# KiCad board ulx4m.kicad_pcb (continued)
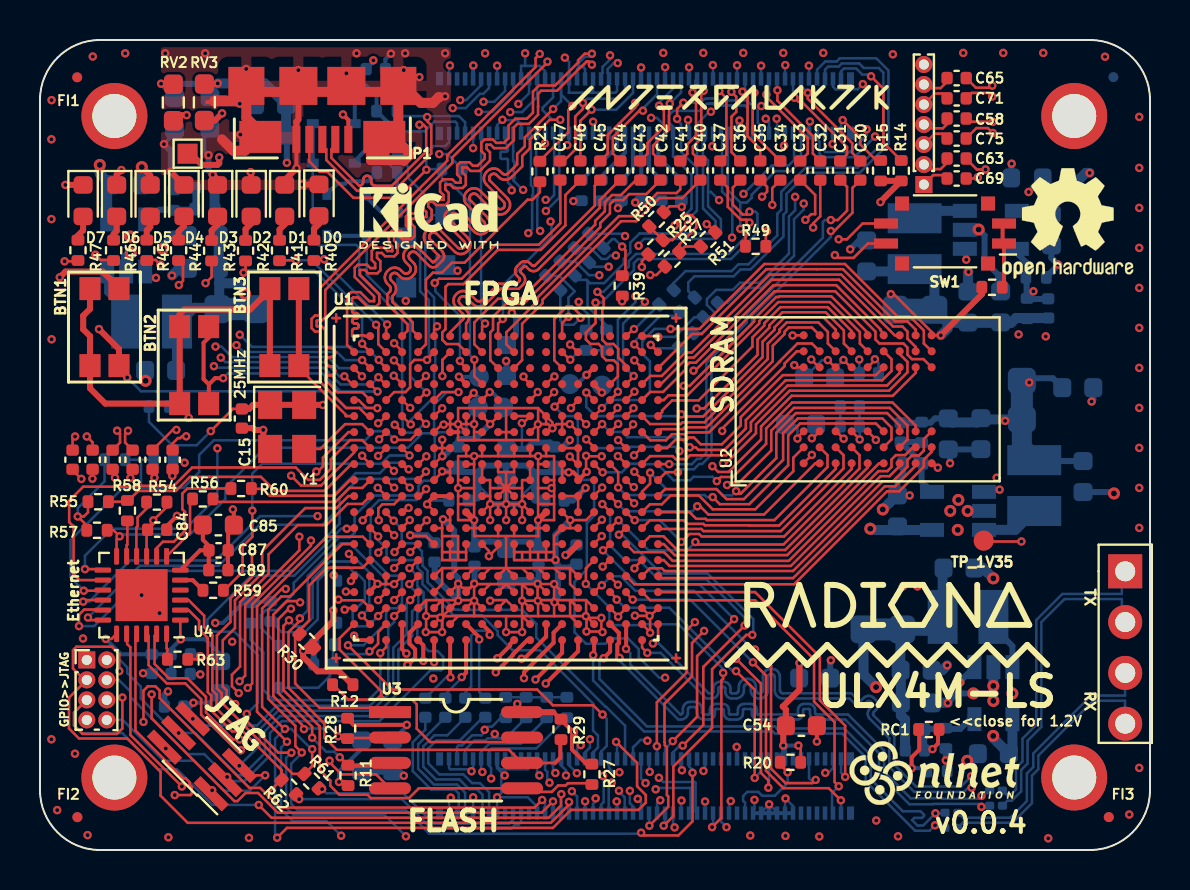
[diagram p0: board, top side]
## Routing (per net, layer and track width the routed paths; a pad name or vN(x,y) marks a point on that pad's centre or on a via; arc(x,y) is an arc through that point) (continued)
  Bottom w0.127: v3(30.65,10.33) 30.95,10.33 33.44,7.83 33.57,7.83 33.59,7.83 33.62,7.84 33.63,7.85 33.65,7.87 33.66,7.89 33.67,7.91 33.67,7.93 33.67,8.08 33.68,8.15 33.7,8.22 33.74,8.28 33.8,8.34 33.86,8.38 33.93,8.4 34,8.41 34.19,8.41 34.27,8.4 34.34,8.38 34.4,8.34 34.45,8.28 34.49,8.22 34.52,8.15 34.53,8.08 34.53,7.93 34.53,7.91 34.53,7.89 34.55,7.87 34.56,7.85 34.58,7.84 34.6,7.83 34.62,7.83 34.77,7.83 34.81,7.84 34.85,7.85 34.88,7.87 34.91,7.9 34.93,7.93 34.94,7.97 34.95,8 34.95,8.16 34.96,8.25 34.99,8.33 35.03,8.41 35.1,8.47 35.17,8.52 35.26,8.55 35.35,8.56 35.4,8.56 35.49,8.55 35.57,8.52 35.65,8.47 35.71,8.41 35.76,8.33 35.79,8.25 35.8,8.16 35.8,8 35.8,7.97 35.82,7.93 35.84,7.9 35.87,7.87 35.9,7.85 35.93,7.84 35.97,7.83 36.01,7.84 36.05,7.85 36.08,7.87 36.11,7.9 36.13,7.93 36.14,7.97 36.15,8 36.15,8.66 36.16,8.75 36.19,8.83 36.23,8.91 36.3,8.97 36.37,9.02 36.46,9.05 36.55,9.06 36.6,9.06 36.69,9.05 36.77,9.02 36.85,8.97 36.91,8.91 36.96,8.83 36.99,8.75 37,8.66 37,8 37,7.97 37.02,7.93 37.04,7.9 37.07,7.87 37.1,7.85 37.13,7.84 37.17,7.83 40.58,7.83 40.91,7.5 40.94,7.48 40.96,7.47 40.99,7.46 41.02,7.46 41.04,7.47 41.07,7.48 41.09,7.5 41.19,7.61 41.26,7.65 41.33,7.69 41.41,7.71 41.49,7.71 41.56,7.69 41.63,7.65 41.7,7.61 41.8,7.5 41.85,7.44 41.88,7.37 41.9,7.29 41.9,7.21 41.88,7.14 41.85,7.06 41.8,7 41.69,6.9 41.68,6.87 41.66,6.85 41.66,6.82 41.66,6.8 41.66,6.77 41.68,6.74 41.69,6.72 42.73,5.69 42.73,4.26 43.81,3.17 46.06,3.17 v3(46.57,3.68)
/serdes/CLK_1_P: length 69.4
  Top w0.127: v3(47.28,34.03) 46.85,34.03 46.32,34.55 C63.2 ; U1.Y19 30.11,10.12 v3(30.37,9.86)
  In2signal.Cu w0.127: v3(46.59,3.11) 47.68,3.11 47.91,3.35 47.91,4.74 49.54,6.36 49.54,14.34 52.39,17.19 52.39,19.18 53.35,20.14 53.35,28.6 52.74,29.2 52.68,29.25 52.6,29.29 52.52,29.31 52.43,29.31 52.35,29.29 52.27,29.25 52.21,29.2 52.1,29.09 52.08,29.07 52.05,29.06 52.01,29.05 51.98,29.05 51.95,29.06 51.92,29.07 51.89,29.09 51.86,29.13 51.84,29.16 51.82,29.19 51.81,29.22 51.81,29.25 51.82,29.28 51.84,29.31 51.86,29.34 52.44,29.92 52.5,29.99 52.53,30.07 52.55,30.15 52.55,30.23 52.53,30.32 52.5,30.39 52.44,30.46 52.37,30.53 52.31,30.58 52.23,30.62 52.15,30.64 52.06,30.64 51.98,30.62 51.9,30.58 51.84,30.53 51.25,29.94 51.23,29.92 51.2,29.91 51.16,29.9 51.13,29.9 51.1,29.91 51.07,29.92 51.04,29.94 51.01,29.98 50.99,30 50.97,30.03 50.97,30.07 50.97,30.1 50.97,30.13 50.99,30.16 51.01,30.19 51.59,30.77 51.65,30.84 51.68,30.92 51.7,31 51.7,31.08 51.68,31.17 51.65,31.24 51.59,31.31 51.53,31.38 51.46,31.43 51.38,31.47 51.3,31.49 51.22,31.49 51.13,31.47 51.06,31.43 50.99,31.38 50.4,30.79 50.38,30.77 50.35,30.76 50.32,30.75 50.28,30.75 50.25,30.76 50.22,30.77 50.2,30.79 50.16,30.83 50.14,30.85 50.13,30.88 50.12,30.92 50.12,30.95 50.13,30.98 50.14,31.01 50.16,31.04 50.27,31.14 50.32,31.21 50.36,31.29 50.38,31.37 50.38,31.45 50.36,31.54 50.32,31.61 50.27,31.68 49.87,32.07 49.87,32.09 49.74,32.22 49.64,32.22 49.55,32.13 48.93,32.13 47.28,33.78 v3(47.28,34.03)
  Bottom w0.127: v3(30.37,9.86) 31.04,9.86 33.32,7.58 33.59,7.58 33.67,7.59 33.74,7.61 33.8,7.65 33.85,7.7 33.89,7.77 33.92,7.84 33.93,7.91 33.93,8.06 33.93,8.08 33.93,8.1 33.95,8.12 33.96,8.13 33.98,8.15 34,8.15 34.02,8.15 34.17,8.15 34.19,8.15 34.22,8.15 34.23,8.13 34.25,8.12 34.26,8.1 34.27,8.08 34.27,8.06 34.27,7.91 34.28,7.84 34.3,7.77 34.34,7.7 34.4,7.65 34.46,7.61 34.53,7.59 34.6,7.58 34.8,7.58 34.89,7.59 34.97,7.62 35.05,7.67 35.11,7.73 35.16,7.81 35.19,7.89 35.2,7.98 35.2,8.13 35.2,8.17 35.22,8.21 35.24,8.24 35.27,8.27 35.3,8.29 35.33,8.3 35.37,8.3 35.41,8.3 35.45,8.29 35.48,8.27 35.51,8.24 35.53,8.21 35.54,8.17 35.55,8.13 35.55,7.98 35.56,7.89 35.59,7.81 35.63,7.73 35.7,7.67 35.77,7.62 35.86,7.59 35.95,7.58 36,7.58 36.09,7.59 36.17,7.62 36.25,7.67 36.31,7.73 36.36,7.81 36.39,7.89 36.4,7.98 36.4,8.63 36.4,8.67 36.42,8.71 36.44,8.74 36.47,8.77 36.5,8.79 36.53,8.8 36.57,8.8 36.61,8.8 36.65,8.79 36.68,8.77 36.71,8.74 36.73,8.71 36.74,8.67 36.75,8.63 36.75,7.98 36.76,7.89 36.79,7.81 36.83,7.73 36.9,7.67 36.97,7.62 37.06,7.59 37.15,7.58 40.48,7.58 40.75,7.3 40.81,7.26 40.88,7.22 40.96,7.2 41.04,7.2 41.12,7.22 41.19,7.26 41.25,7.3 41.36,7.41 41.38,7.43 41.4,7.44 41.43,7.45 41.46,7.45 41.49,7.44 41.51,7.43 41.53,7.41 41.6,7.34 41.62,7.32 41.63,7.29 41.64,7.27 41.64,7.24 41.63,7.21 41.62,7.19 41.6,7.17 41.5,7.06 41.45,7 41.41,6.93 41.4,6.85 41.4,6.77 41.41,6.69 41.45,6.62 41.5,6.56 42.47,5.58 42.47,4.15 43.71,2.91 46.21,2.91 46.42,3.11 v3(46.59,3.11)
/serdes/S_0_N: length 30.3
  Top w0.127: v3(3.75,18.61) 3.75,18.86 3.63,18.98 C67.1 3.68,19.03 3.82,18.89
  Top w0.2: U1.Y6 v3(19.71,9.39)
  In2signal.Cu w0.127: v3(3.75,18.61) 4.27,18.1 4.22,18.05 3.99,18.05 3.79,17.85 3.79,17.49 3.99,17.29 5.27,17.29 5.39,17.16 5.27,17.03 4.54,17.03 4.27,16.76 4.27,16.46 4.87,15.86 4.87,15.72 4.7,15.55 4.7,15.2 4.89,15.01 5.29,15.01 5.85,15.57 5.85,15.59 6.03,15.59 6.03,15.59 6.03,15.41 5.21,14.59 5.21,14.2 5.35,14.05 5.75,14.05 5.82,14.13 6.57,14.87 6.75,14.87 6.75,14.87 6.75,14.69 6.58,14.53 6.58,14.14 12.13,8.59 18.91,8.59 v3(19.71,9.39)
/serdes/S_0_P: length 29
  Top w0.127: v3(4.52,18.6) 4.52,18.84 4.48,18.88 C61.2
  Top w0.2: v3(19.17,9.46) 19.17,10.24 U1.Y5
  In2signal.Cu w0.127: v3(19.17,9.46) 19.17,9.23 18.78,8.85 12.24,8.85 6.84,14.25 6.84,14.43 7,14.59 7,14.98 6.85,15.13 6.46,15.13 5.64,14.31 5.46,14.31 5.46,14.49 6.28,15.31 6.28,15.7 6.13,15.85 5.74,15.85 5.17,15.27 4.99,15.27 4.95,15.31 4.95,15.45 5.12,15.61 5.12,15.97 4.52,16.56 4.52,16.65 4.65,16.78 5.37,16.78 5.65,17.06 5.65,17.27 5.37,17.54 4.09,17.54 4.04,17.59 4.04,17.75 4.09,17.8 4.32,17.8 4.52,17.99 v3(4.52,18.6)
/serdes/S_1_N: length 3.3
  Top w0.2: v3(21.09,8.64) 21.31,8.86 U1.Y8
  Bottom w0.127: v3(21.09,8.64) 21.09,8.6 20.27,7.78 C68.1
/serdes/S_1_P: length 3.6
  Top w0.2: U1.Y7 20.51,8.64 v3(20.53,8.63)
  Bottom w0.127: v3(20.53,8.63) 20.3,8.63 C62.2
/serdes/S_2_N: length 33.1
  Top w0.127: 5.84,18.82 C72.1 ; C72.1 5.63,18.78 5.6,18.75 ; C72.1 5.72,18.94 v3(5.72,18.61)
  Top w0.2: v3(18.37,9.26) 18.4,9.26 18.76,9.61 18.76,10.03 18.48,10.32 18.48,10.86 U1.W5
  In2signal.Cu w0.127: v3(18.37,9.26) 18.29,9.17 14.82,9.17 14.59,9.4 14.41,9.4 14.41,9.4 14.23,9.4 14.23,9.58 14.23,9.58 14.23,9.76 14.05,9.76 13.8,9.51 13.62,9.51 13.62,9.69 13.87,9.94 13.87,10.12 13.18,10.81 11.6,10.81 9.7,12.71 9.54,12.71 9.37,12.55 9,12.55 8.84,12.72 8.84,13.09 9.74,14 9.74,14.17 9.56,14.17 8.66,13.27 8.28,13.27 8.12,13.43 8.12,13.81 9.2,14.89 9.2,15.07 9.02,15.07 7.94,13.99 7.56,13.99 7.4,14.15 7.4,14.53 8.94,16.07 8.94,16.25 8.76,16.25 7.66,15.15 7.27,15.15 6.07,16.35 6.07,18.26 v3(5.72,18.61)
/serdes/S_2_P: length 30.3
  Top w0.127: v3(6.62,18.7) 6.63,18.71 C55.2 6.45,18.85
  Top w0.2: v3(18.32,9.82) 18.11,10.04 U1.W4
  In2signal.Cu w0.127: v3(6.62,18.7) 6.34,18.42 6.34,16.43 7.37,15.4 7.55,15.4 8.66,16.5 9.05,16.5 9.2,16.35 9.2,15.96 7.65,14.42 7.65,14.26 7.67,14.24 7.83,14.24 8.92,15.32 9.31,15.32 9.45,15.18 9.45,14.79 8.37,13.7 8.37,13.54 8.39,13.52 8.55,13.52 9.46,14.43 9.85,14.43 10,14.28 10,13.89 9.09,12.98 9.09,12.82 9.11,12.8 9.27,12.8 9.43,12.97 9.81,12.97 11.71,11.07 13.29,11.07 14.91,9.45 17.95,9.45 v3(18.32,9.82)
/serdes/S_3_N: length 5
  Top w0.2: U1.W9 22.49,10.92 v3(22.49,10.76)
  Bottom w0.127: C73.1 21.27,7.87 21.56,8.17 21.56,10.71 21.82,10.97 22.28,10.97 v3(22.49,10.76)
/serdes/S_3_P: length 4.5
  Top w0.2: v3(21.96,10.53) 21.96,10.64 U1.W8
  Bottom w0.127: 21.98,7.88 C56.2 21.96,7.9 v3(21.96,10.53)
/serdes/S_4_N: length 2.9
  Top w0.2: U1.Y15 26.91,9.94 v3(25.29,8.32)
  Bottom w0.127: 25.3,8.31 v3(25.29,8.32)
/serdes/S_4_P: length 2.5
  Top w0.2: U1.Y14 26.11,9.85 v3(24.78,8.52)
/serdes/S_5_N: length 72
  Top w0.127: v3(47.62,37.67) 47.44,37.85 46.59,37.85 C71.1
  Top w0.2: v3(28.18,9.59) 28.51,9.92 U1.Y17
  In2signal.Cu w0.127: v3(47.62,37.67) 47.77,37.82 48.2,37.82 49.41,36.6 49.41,35.78 54.23,30.96 54.23,16.8 51.79,14.36 51.79,7.3 49.17,4.68 49.17,2.33 48.11,1.26 45.35,1.26 v3(44.78,1.83)
  Bottom w0.127: v3(28.18,9.59) 27.98,9.38 27.98,8.55 30.35,6.18 36.75,6.18 36.85,6.08 40.22,6.08 41.55,4.75 41.55,3.54 43.15,1.93 44.04,1.93 44.21,1.76 44.21,1.7 44.11,1.6 43.72,1.6 43.61,1.49 43.88,1.22 44.17,1.22 v3(44.78,1.83) 45.23,1.83 C93.2
/serdes/S_5_P: length 71.7
  Top w0.127: C65.2 46.8,38.11 47.52,38.11 v3(47.62,38.22)
  Top w0.2: v3(27.66,9.74) 27.71,9.79 U1.Y16
  In2signal.Cu w0.127: v3(47.62,38.22) 47.77,38.07 48.3,38.07 49.67,36.71 49.67,35.89 54.49,31.07 54.49,16.69 52.05,14.25 52.05,7.19 49.43,4.57 49.43,2.22 48.21,1.01 44.99,1.01 v3(44.76,1.23)
  Bottom w0.127: v3(27.66,9.74) 27.66,8.47 30.21,5.93 36.64,5.93 36.75,5.82 40.11,5.82 41.29,4.64 41.29,3.43 43.76,0.96 44.49,0.96 v3(44.76,1.23) 44.94,1.23 44.99,1.18 45.17,1.18 C94.2
/serdes/S_6_N: length 3.5
  Top w0.2: v3(24.2,8.59) 24.2,8.89 25.68,10.37 25.68,10.87 U1.W14
/serdes/S_6_P: length 2.3
  Top w0.2: v3(24.08,9.57) 24.21,9.57 25.31,10.66 U1.W13
/serdes/S_7_N: length 70.3
  Top w0.127: v3(47.65,35.85) 47.41,36.09 46.83,36.09 46.32,35.58 C75.1
  Top w0.2: U1.W18 29.31,10.06 v3(29.31,10.06)
  In2signal.Cu w0.127: v3(47.08,2.71) 47.24,2.54 47.95,2.54 48.43,3.03 48.43,4.78 50.69,7.03 50.69,14.58 52.96,16.86 52.96,19.02 53.68,19.73 53.68,30.44 51.27,32.86 51.24,32.88 51.2,32.9 51.17,32.91 51.13,32.91 51.1,32.9 51.06,32.88 51.04,32.86 50.64,32.46 50.57,32.4 50.48,32.36 50.39,32.34 50.3,32.34 50.21,32.36 50.13,32.4 50.05,32.46 50.02,32.5 49.96,32.57 49.92,32.65 49.9,32.74 49.9,32.84 49.92,32.93 49.96,33.01 50.02,33.08 50.42,33.48 50.44,33.51 50.45,33.54 50.46,33.58 50.46,33.61 50.45,33.65 50.44,33.68 50.42,33.71 49.91,34.22 49.86,34.26 49.8,34.29 49.74,34.3 49.67,34.3 49.61,34.29 49.56,34.26 49.46,34.18 49.4,34.15 49.34,34.14 49.27,34.14 49.21,34.15 49.16,34.18 49.11,34.22 49.08,34.25 49.04,34.29 49.01,34.35 49,34.41 49,34.48 49.01,34.54 49.04,34.59 49.12,34.69 49.15,34.75 49.16,34.81 49.16,34.88 49.15,34.94 49.12,34.99 49.08,35.04 48.14,35.98 47.78,35.98 v3(47.65,35.85)
  Bottom w0.127: C91.2 47.35,2.97 v3(47.08,2.71) 46.93,2.56 45.15,2.56 45.13,2.58 43.54,2.58 42.22,3.91 42.22,4.97 40.41,6.78 38.83,6.78 38.82,6.78 38.8,6.79 38.79,6.79 38.78,6.81 38.77,6.82 38.76,6.83 38.76,6.85 38.76,7 38.75,7.07 38.73,7.13 38.69,7.19 38.64,7.24 38.59,7.27 38.52,7.3 38.45,7.3 38.21,7.3 38.15,7.3 38.08,7.27 38.02,7.24 37.97,7.19 37.94,7.13 37.91,7.07 37.91,7 37.91,6.85 37.9,6.83 37.9,6.82 37.89,6.81 37.88,6.79 37.86,6.79 37.85,6.78 37.83,6.78 35.93,6.78 35.91,6.78 35.89,6.79 35.88,6.79 35.87,6.81 35.86,6.82 35.86,6.83 35.85,6.85 35.85,7 35.85,7.07 35.82,7.13 35.79,7.19 35.74,7.24 35.68,7.27 35.61,7.3 35.55,7.3 35.21,7.3 35.14,7.3 35.07,7.27 35.02,7.24 34.97,7.19 34.93,7.13 34.91,7.07 34.9,7 34.9,6.85 34.9,6.83 34.89,6.82 34.88,6.81 34.87,6.79 34.86,6.79 34.84,6.78 34.83,6.78 34.53,6.78 34.51,6.78 34.49,6.79 34.48,6.79 34.47,6.81 34.46,6.82 34.46,6.83 34.45,6.85 34.45,7 34.45,7.07 34.42,7.13 34.39,7.19 34.34,7.24 34.28,7.27 34.21,7.3 34.15,7.3 33.81,7.3 33.74,7.3 33.67,7.27 33.62,7.24 33.57,7.19 33.53,7.13 33.51,7.07 33.5,7 33.5,6.85 33.5,6.83 33.49,6.82 33.48,6.81 33.47,6.79 33.46,6.79 33.44,6.78 33.43,6.78 33.23,6.78 33.2,6.78 33.17,6.79 33.15,6.8 33.13,6.82 33.12,6.85 33.11,6.87 33.1,6.9 33.1,7.05 33.09,7.13 33.07,7.2 33.03,7.27 32.97,7.33 32.9,7.37 32.83,7.4 32.75,7.4 32.5,7.4 32.43,7.4 32.35,7.37 32.28,7.33 32.23,7.27 32.18,7.2 32.16,7.13 32.15,7.05 32.15,6.9 32.15,6.87 32.14,6.85 32.12,6.82 32.1,6.8 32.08,6.79 32.05,6.78 32.03,6.78 29.52,9.29 29.52,9.85 v3(29.31,10.06)
/serdes/S_7_P: length 70.9
  Top w0.127: C58.2 46.48,36.41 47.65,36.41 v3(47.66,36.41)
  Top w0.2: v3(28.98,9.61) 28.87,9.72 28.87,10.27 28.95,10.34 28.95,10.86 U1.W17
  In2signal.Cu w0.127: v3(47.08,2.16) 47.19,2.27 48.04,2.27 48.69,2.92 48.69,4.67 50.95,6.93 50.95,14.49 53.22,16.75 53.22,18.91 53.93,19.63 53.93,30.58 51.44,33.07 51.37,33.13 51.29,33.17 51.2,33.19 51.1,33.19 51.01,33.17 50.93,33.13 50.86,33.07 50.46,32.67 50.43,32.65 50.4,32.64 50.36,32.63 50.33,32.63 50.29,32.64 50.26,32.65 50.23,32.67 50.21,32.7 50.19,32.74 50.18,32.77 50.18,32.81 50.19,32.84 50.21,32.88 50.23,32.9 50.63,33.3 50.69,33.37 50.73,33.46 50.75,33.55 50.75,33.64 50.73,33.73 50.69,33.81 50.63,33.89 48.27,36.24 47.82,36.24 v3(47.66,36.41)
  Bottom w0.127: v3(28.98,9.61) 28.98,9.46 31.92,6.52 32.05,6.52 32.13,6.53 32.2,6.56 32.27,6.6 32.33,6.66 32.37,6.73 32.39,6.8 32.4,6.88 32.4,7.03 32.41,7.06 32.42,7.08 32.43,7.1 32.45,7.12 32.47,7.14 32.5,7.15 32.53,7.15 32.73,7.15 32.75,7.15 32.78,7.14 32.8,7.12 32.82,7.1 32.84,7.08 32.85,7.06 32.85,7.03 32.85,6.88 32.86,6.8 32.88,6.73 32.93,6.66 32.98,6.6 33.05,6.56 33.13,6.53 33.2,6.52 33.45,6.52 33.51,6.53 33.58,6.55 33.64,6.59 33.69,6.64 33.72,6.7 33.75,6.76 33.75,6.83 33.75,6.98 33.76,6.99 33.76,7.01 33.77,7.02 33.78,7.04 33.79,7.04 33.81,7.05 33.83,7.05 34.13,7.05 34.14,7.05 34.16,7.04 34.17,7.04 34.18,7.02 34.19,7.01 34.2,6.99 34.2,6.98 34.2,6.83 34.21,6.76 34.23,6.7 34.27,6.64 34.32,6.59 34.37,6.55 34.44,6.53 34.51,6.52 34.85,6.52 34.91,6.53 34.98,6.55 35.04,6.59 35.09,6.64 35.12,6.7 35.15,6.76 35.15,6.83 35.15,6.98 35.16,6.99 35.16,7.01 35.17,7.02 35.18,7.04 35.19,7.04 35.21,7.05 35.23,7.05 35.53,7.05 35.54,7.05 35.56,7.04 35.57,7.04 35.58,7.02 35.59,7.01 35.6,6.99 35.6,6.98 35.6,6.83 35.61,6.76 35.63,6.7 35.67,6.64 35.72,6.59 35.77,6.55 35.84,6.53 35.91,6.52 37.85,6.52 37.92,6.53 37.99,6.55 38.04,6.59 38.09,6.64 38.13,6.7 38.15,6.76 38.16,6.83 38.16,6.98 38.16,6.99 38.17,7.01 38.18,7.02 38.19,7.04 38.2,7.04 38.22,7.05 38.23,7.05 38.43,7.05 38.45,7.05 38.46,7.04 38.48,7.04 38.49,7.02 38.5,7.01 38.5,6.99 38.51,6.98 38.51,6.83 38.51,6.76 38.54,6.7 38.57,6.64 38.62,6.59 38.68,6.55 38.75,6.53 38.81,6.52 40.27,6.52 41.96,4.83 41.96,3.81 43.48,2.28 44.65,2.28 44.68,2.31 46.93,2.31 v3(47.08,2.16) 47.13,2.21 C92.2
/usb/D10_R4: length 1.6
  Bottom w0.2: D10.1 15.74,37.72 R4.1
/usb/D11_R5: length 1.4
  Bottom w0.2: R5.1 16.18,34.89 15.74,34.45 D11.2
/usb/D12_R6: length 2
  Bottom w0.2: D12.1 16.33,32.63 17.09,31.87 R6.1
/usb/D13_R7: length 2.9
  Bottom w0.2: D13.2 14.86,33.31 15.26,33.31 15.38,33.43 16.4,33.43 R7.1
BTN1: length 25.3
  Top w0.127: v3(16.87,22.09) 16.86,22.1 16.32,22.1 15.93,22.49 U1.E1 ; BTN1.2 4.36,23.81 v3(4.36,23.62)
  Top w0.3: BTN1.2 3.95,25.04 v3(2.95,26.04) ; BTN1.2 3.95,28.11 3.14,28.92 1.28,28.92 v3(0.99,28.63)
  In2signal.Cu w0.3: v3(0.99,28.63) 0.7,28.34 0.7,27.09 1.75,26.04 v3(2.95,26.04)
  Bottom w0.127: v3(16.87,22.09) 15.3,22.09 14.46,22.93 5.05,22.93 v3(4.36,23.62)
BTN2: length 13.6
  Top w0.127: U1.D2 v3(16.88,22.92)
  Top w0.2: v3(9.16,23.59) 8.76,23.59 8.45,23.28 ; BTN2.2 8.45,22.33 8.45,23.28 ; 8.45,23.28 8.18,23.54 8.18,25.36 8.44,25.62 BTN2.2
  Bottom w0.127: v3(16.88,22.92) 15.02,22.92 14.12,23.83 9.39,23.83 v3(9.16,23.59)
BTN3: length 7.8
  Top w0.127: 15.3,21.69 15.3,21.75 12.95,24.11 BTN3.2 ; 15.3,21.69 U1.F1 ; 15.3,21.69 15.28,21.71
  Top w0.3: BTN3.2 BTN3.2
CAM0_C_N: length 31.9
  Top w0.127: U1.E2 16.12,22.89 14.89,22.89 14.26,23.51 14.27,23.56 14.29,23.61 14.31,23.65 14.35,23.69 14.39,23.71 14.44,23.73 14.49,23.74 14.54,23.74 14.59,23.74 14.64,23.76 14.68,23.79 14.71,23.82 14.74,23.86 14.76,23.91 14.76,23.96 14.76,24.01 14.74,24.06 14.71,24.1 14.68,24.14 14.64,24.17 14.59,24.18 14.54,24.19 14.49,24.19 14.44,24.2 14.39,24.21 14.35,24.24 14.31,24.28 14.29,24.32 14.27,24.37 14.26,24.42 14.27,24.47 14.29,24.52 14.31,24.56 14.35,24.59 14.39,24.62 14.44,24.64 14.49,24.64 14.54,24.64 14.59,24.65 14.64,24.67 14.68,24.69 14.71,24.73 14.74,24.77 14.76,24.82 14.76,24.87 14.76,24.92 14.74,24.97 14.71,25.01 14.68,25.05 14.64,25.08 14.59,25.09 14.54,25.1 14.49,25.1 14.44,25.1 14.39,25.12 14.35,25.15 14.31,25.18 14.29,25.23 14.27,25.27 14.26,25.33 14.26,26 14.09,26.18 13.86,26.18 13.84,26.2 13.84,26.45 13.86,26.47 14.09,26.47 14.26,26.65 14.26,28 20.62,34.36 20.62,34.63 25.38,39.38 v3(25.38,39.42)
  In2signal.Cu w0.127: v3(25.38,39.42) 25.17,39.42 24.73,38.97 24.73,38.78 24.95,38.55 26.43,38.55 26.43,38.56 26.46,38.55 27.53,38.55 28.51,39.53 v3(28.51,39.73)
  Bottom w0.127: J2.40 28.06,38.77 28.13,38.84 28.13,39.15 28.51,39.53 v3(28.51,39.73)
CAM0_C_P: length 32.3
  Top w0.127: v3(24.99,39.8) 24.78,39.59 24.78,39.15 20.37,34.73 20.37,34.46 14.01,28.11 14.01,26.75 13.99,26.73 13.75,26.73 13.58,26.55 13.58,26.1 13.75,25.92 13.99,25.92 14.01,25.9 14.01,23.4 15.31,22.1 15.96,22.1 16.37,21.69 U1.F2
  In2signal.Cu w0.127: v3(24.99,39.8) 24.99,39.6 24.47,39.08 24.47,38.67 24.85,38.3 27.64,38.3 28.69,39.35 v3(28.89,39.35)
  Bottom w0.127: v3(28.89,39.35) 28.69,39.35 28.39,39.05 28.39,38.84 28.46,38.77 J2.42
CAM0_D0_N: length 32.1
  Top w0.127: U1.A5 18.64,25.97 18.64,26.39 17.63,27.4 17.63,27.69 17.68,27.74 17.74,27.82 17.78,27.91 17.81,28.01 17.81,28.11 17.78,28.2 17.74,28.29 17.68,28.37 17.57,28.48 17.54,28.51 17.52,28.56 17.51,28.6 17.51,28.65 17.52,28.7 17.54,28.74 17.57,28.78 17.58,28.79 17.62,28.82 17.66,28.84 17.71,28.85 17.76,28.85 17.8,28.84 17.85,28.82 17.89,28.79 17.99,28.68 18.07,28.62 18.16,28.58 18.26,28.56 18.36,28.56 18.45,28.58 18.54,28.62 18.62,28.68 18.67,28.73 18.73,28.81 18.78,28.9 18.8,29 18.8,29.1 18.78,29.2 18.73,29.29 18.67,29.37 18.5,29.54 18.47,29.58 18.45,29.62 18.44,29.67 18.44,29.72 18.45,29.77 18.47,29.81 18.5,29.85 18.54,29.88 18.59,29.91 18.64,29.92 18.69,29.92 18.73,29.91 18.78,29.88 18.82,29.85 19.45,29.22 19.5,29.18 19.56,29.15 19.63,29.13 19.7,29.13 19.76,29.15 19.82,29.18 19.87,29.22 20.12,29.47 20.17,29.52 20.2,29.58 20.21,29.65 20.21,29.72 20.2,29.78 20.17,29.84 20.12,29.89 20.12,29.93 19.47,30.58 19.46,30.62 19.46,30.67 19.47,30.72 19.5,30.77 19.53,30.81 19.57,30.84 19.61,30.86 19.66,30.87 19.71,30.87 19.76,30.86 19.8,30.84 19.84,30.81 20.72,29.93 20.8,29.86 20.89,29.82 20.99,29.8 21.09,29.8 21.19,29.82 21.28,29.86 21.36,29.93 21.4,29.97 21.46,30.04 21.5,30.14 21.53,30.23 21.53,30.33 21.5,30.43 21.46,30.52 21.4,30.6 21.4,30.61 20.52,31.49 20.5,31.53 20.49,31.58 20.49,31.63 20.5,31.67 20.52,31.72 20.55,31.76 20.56,31.77 20.6,31.8 20.64,31.82 20.69,31.83 20.73,31.83 20.78,31.82 20.82,31.8 20.86,31.77 21.71,30.92 21.79,30.85 21.88,30.81 21.98,30.79 22.08,30.79 22.18,30.81 22.27,30.85 22.35,30.92 22.39,30.96 22.45,31.03 22.49,31.13 22.52,31.22 22.52,31.32 22.49,31.42 22.45,31.51 22.39,31.59 22.39,31.62 21.49,32.52 21.48,32.57 21.48,32.62 21.49,32.66 21.51,32.71 21.54,32.75 21.55,32.76 21.59,32.79 21.63,32.81 21.68,32.82 21.72,32.82 21.77,32.81 21.81,32.79 21.85,32.76 22.7,31.91 22.78,31.84 22.87,31.8 22.97,31.78 23.07,31.78 23.17,31.8 23.26,31.84 23.34,31.91 23.38,31.95 23.44,32.02 23.48,32.12 23.51,32.21 23.51,32.31 23.48,32.41 23.44,32.5 23.38,32.58 23.38,32.59 22.49,33.47 22.48,33.49 22.47,33.52 22.47,33.61 22.48,33.65 22.5,33.7 22.53,33.73 22.54,33.75 22.58,33.78 22.62,33.8 22.67,33.81 22.71,33.81 22.76,33.8 22.8,33.78 22.84,33.75 22.95,33.64 23.03,33.58 23.12,33.53 23.21,33.51 23.31,33.51 23.41,33.53 23.5,33.58 23.57,33.64 24.12,34.18 24.12,34.7 24.5,35.08 24.5,35.52 25.49,36.51 v3(26.02,36.51)
  Bottom w0.127: J2.28 25.66,37.63 25.14,37.11 25.14,36.99 25.61,36.51 v3(26.02,36.51)
CAM0_D0_P: length 36.1
  Top w0.127: U1.A4 18.38,25.97 18.38,26.28 17.37,27.29 17.37,27.8 17.48,27.9 17.51,27.94 17.53,27.99 17.54,28.03 17.54,28.08 17.53,28.13 17.51,28.17 17.48,28.21 17.37,28.32 17.31,28.39 17.27,28.48 17.24,28.58 17.24,28.68 17.27,28.77 17.31,28.86 17.37,28.94 17.42,28.99 17.5,29.05 17.59,29.09 17.68,29.12 17.78,29.12 17.88,29.09 17.97,29.05 18.05,28.99 18.15,28.88 18.19,28.85 18.24,28.83 18.28,28.82 18.33,28.82 18.38,28.83 18.42,28.85 18.46,28.88 18.47,28.89 18.5,28.93 18.52,28.98 18.53,29.03 18.53,29.08 18.52,29.13 18.5,29.17 18.47,29.21 18.3,29.38 18.24,29.46 18.2,29.55 18.17,29.64 18.17,29.75 18.2,29.84 18.24,29.93 18.3,30.01 18.34,30.05 18.42,30.11 18.51,30.16 18.61,30.18 18.71,30.18 18.81,30.16 18.9,30.11 18.98,30.05 19.62,29.41 19.63,29.4 19.64,29.4 19.65,29.39 19.67,29.39 19.68,29.4 19.7,29.4 19.71,29.41 19.93,29.64 19.94,29.65 19.95,29.66 19.95,29.68 19.95,29.69 19.95,29.7 19.94,29.72 19.93,29.73 19.33,30.33 19.27,30.41 19.22,30.5 19.2,30.6 19.2,30.7 19.22,30.8 19.27,30.89 19.33,30.97 19.37,31.01 19.45,31.07 19.54,31.11 19.64,31.13 19.74,31.13 19.83,31.11 19.92,31.07 20,31.01 20.88,30.13 20.92,30.1 20.97,30.07 21.02,30.06 21.07,30.06 21.11,30.07 21.16,30.1 21.2,30.13 21.23,30.17 21.25,30.21 21.26,30.26 21.26,30.31 21.25,30.36 21.23,30.4 21.2,30.44 20.35,31.29 20.29,31.37 20.24,31.46 20.22,31.55 20.22,31.65 20.24,31.75 20.29,31.84 20.35,31.92 20.4,31.97 20.48,32.03 20.57,32.07 20.66,32.09 20.76,32.09 20.86,32.07 20.95,32.03 21.02,31.97 21.87,31.12 21.91,31.09 21.96,31.06 22.01,31.05 22.06,31.05 22.1,31.06 22.15,31.09 22.19,31.12 22.22,31.16 22.24,31.2 22.25,31.25 22.25,31.3 22.24,31.35 22.22,31.39 22.19,31.43 21.34,32.28 21.28,32.36 21.23,32.45 21.21,32.54 21.21,32.64 21.23,32.74 21.28,32.83 21.34,32.91 21.39,32.96 21.47,33.02 21.56,33.06 21.65,33.08 21.75,33.08 21.85,33.06 21.94,33.02 22.01,32.96 22.86,32.11 22.9,32.08 22.95,32.05 23,32.04 23.05,32.04 23.09,32.05 23.14,32.08 23.18,32.11 23.21,32.15 23.23,32.19 23.24,32.24 23.24,32.29 23.23,32.34 23.21,32.38 23.18,32.42 22.33,33.27 22.27,33.35 22.22,33.44 22.2,33.53 22.2,33.63 22.22,33.73 22.27,33.82 22.33,33.9 22.38,33.95 22.46,34.01 22.55,34.05 22.64,34.07 22.74,34.07 22.84,34.05 22.93,34.01 23,33.95 23.11,33.84 23.15,33.81 23.19,33.79 23.24,33.78 23.29,33.78 23.33,33.79 23.38,33.81 23.41,33.84 23.86,34.29 23.86,34.81 24.24,35.19 24.24,35.63 24.96,36.34 24.96,36.35 v3(25.66,37.05) ; v3(26.63,37.2) 26.42,36.99 26.42,35.88 25,34.46 R21.1
  Bottom w0.127: v3(26.63,37.2) 26.06,37.77 J2.30 26.06,37.45 v3(25.66,37.05)
CAM0_D1_N: length 32
  Top w0.127: U1.B1 15.36,25.25 15.36,27.69 15.56,27.89 16.02,27.89 16.47,27.44 16.71,27.44 16.71,27.68 15.74,28.65 15.74,29.11 15.9,29.26 16.35,29.26 16.52,29.09 16.76,29.09 16.76,29.33 16.59,29.5 16.59,29.96 16.75,30.12 17.2,30.12 17.37,29.95 17.61,29.95 17.61,29.95 17.61,30.19 17.44,30.36 17.44,30.81 17.6,30.97 18.06,30.97 18.23,30.8 18.47,30.8 18.47,30.8 18.47,31.04 18.3,31.21 18.3,31.67 18.46,31.82 18.91,31.82 19.08,31.65 19.32,31.65 19.32,31.66 19.32,31.9 19.15,32.07 19.15,32.52 19.31,32.68 19.77,32.68 19.94,32.51 20.17,32.51 20.18,32.51 20.18,32.75 20.01,32.92 20.01,33.38 20.16,33.53 20.62,33.53 20.79,33.36 21.03,33.36 21.03,33.37 21.03,33.6 20.86,33.77 20.86,34.23 21.02,34.39 21.47,34.39 21.64,34.22 21.88,34.22 22.24,34.57 22.24,34.78 22.07,34.95 22.07,35.37 22.23,35.53 22.65,35.53 22.82,35.36 23.02,35.36 23.02,35.36 23.2,35.36 23.43,35.59 23.43,36.23 23.77,36.56 24.35,36.56 24.65,36.87 24.65,37.92 24.96,38.22 25.76,38.22 25.86,38.32 26.91,39.37 26.91,39.49 27.24,39.81 v3(27.6,39.81)
  Bottom w0.127: J2.34 26.86,39.05 26.93,39.12 26.93,39.34 27.26,39.67 27.45,39.67 v3(27.6,39.81)
CAM0_D1_P: length 32
  Top w0.127: U1.A2 16.25,25.69 16.21,25.73 15.88,25.73 15.8,25.65 15.66,25.65 15.61,25.7 15.61,25.94 15.61,25.97 15.62,26 15.64,26.02 15.66,26.04 15.68,26.06 15.71,26.07 15.74,26.07 15.81,26.07 15.84,26.08 15.87,26.08 15.89,26.1 15.91,26.12 15.93,26.14 15.94,26.17 15.94,26.2 15.94,26.23 15.93,26.25 15.91,26.28 15.89,26.3 15.87,26.31 15.84,26.32 15.81,26.33 15.74,26.33 15.71,26.33 15.68,26.34 15.66,26.35 15.64,26.37 15.62,26.4 15.61,26.42 15.61,26.45 15.61,26.48 15.62,26.51 15.64,26.53 15.66,26.55 15.68,26.57 15.71,26.58 15.74,26.58 15.81,26.58 15.84,26.58 15.87,26.59 15.89,26.61 15.91,26.63 15.93,26.65 15.94,26.68 15.94,26.71 15.94,26.74 15.93,26.76 15.91,26.79 15.89,26.81 15.87,26.82 15.84,26.83 15.81,26.83 15.74,26.83 15.71,26.84 15.68,26.85 15.66,26.86 15.64,26.88 15.62,26.91 15.61,26.93 15.61,26.96 15.61,27.57 15.67,27.63 15.91,27.63 16.36,27.18 16.82,27.18 16.97,27.33 16.97,27.79 16,28.76 16,29 16,29 16.24,29 16.41,28.83 16.87,28.83 17.02,28.99 17.02,29.44 16.85,29.61 16.85,29.85 16.86,29.85 17.09,29.85 17.26,29.68 17.72,29.68 17.88,29.84 17.88,30.3 17.71,30.47 17.71,30.7 17.71,30.71 17.95,30.71 18.12,30.54 18.57,30.54 18.73,30.69 18.73,31.15 18.56,31.32 18.56,31.56 18.56,31.56 18.8,31.56 18.97,31.39 19.43,31.39 19.58,31.55 19.58,32 19.42,32.17 19.42,32.41 19.42,32.42 19.66,32.42 19.83,32.25 20.28,32.25 20.44,32.4 20.44,32.86 20.27,33.03 20.27,33.27 20.27,33.27 20.51,33.27 20.68,33.1 21.14,33.1 21.29,33.26 21.29,33.71 21.12,33.88 21.12,34.12 21.13,34.12 21.37,34.12 21.53,33.95 21.99,33.95 22.5,34.47 22.5,34.89 22.33,35.06 22.33,35.26 22.34,35.26 22.54,35.26 22.71,35.09 23.3,35.09 23.69,35.48 23.69,36.12 23.87,36.3 24.45,36.3 24.91,36.76 24.91,37.17 24.91,37.17 24.91,37.81 25.06,37.96 25.86,37.96 27.09,39.2 27.1,39.2 27.34,39.43 27.43,39.43 v3(27.6,39.27)
  Bottom w0.127: v3(27.6,39.27) 27.45,39.41 27.37,39.41 27.19,39.23 27.19,39.12 27.26,39.05 J2.36
